# Altium PCB CoreBase-V2.0.PcbDoc
Units mil, origin at the board's own origin, x right, y up, seen from the top; angles counter-clockwise.
Board outline 3947.04 x 3945.03 mil, 2 copper layers (Top Layer, Bottom Layer); 118 components, 124 nets, 578 pads, 182 vias.
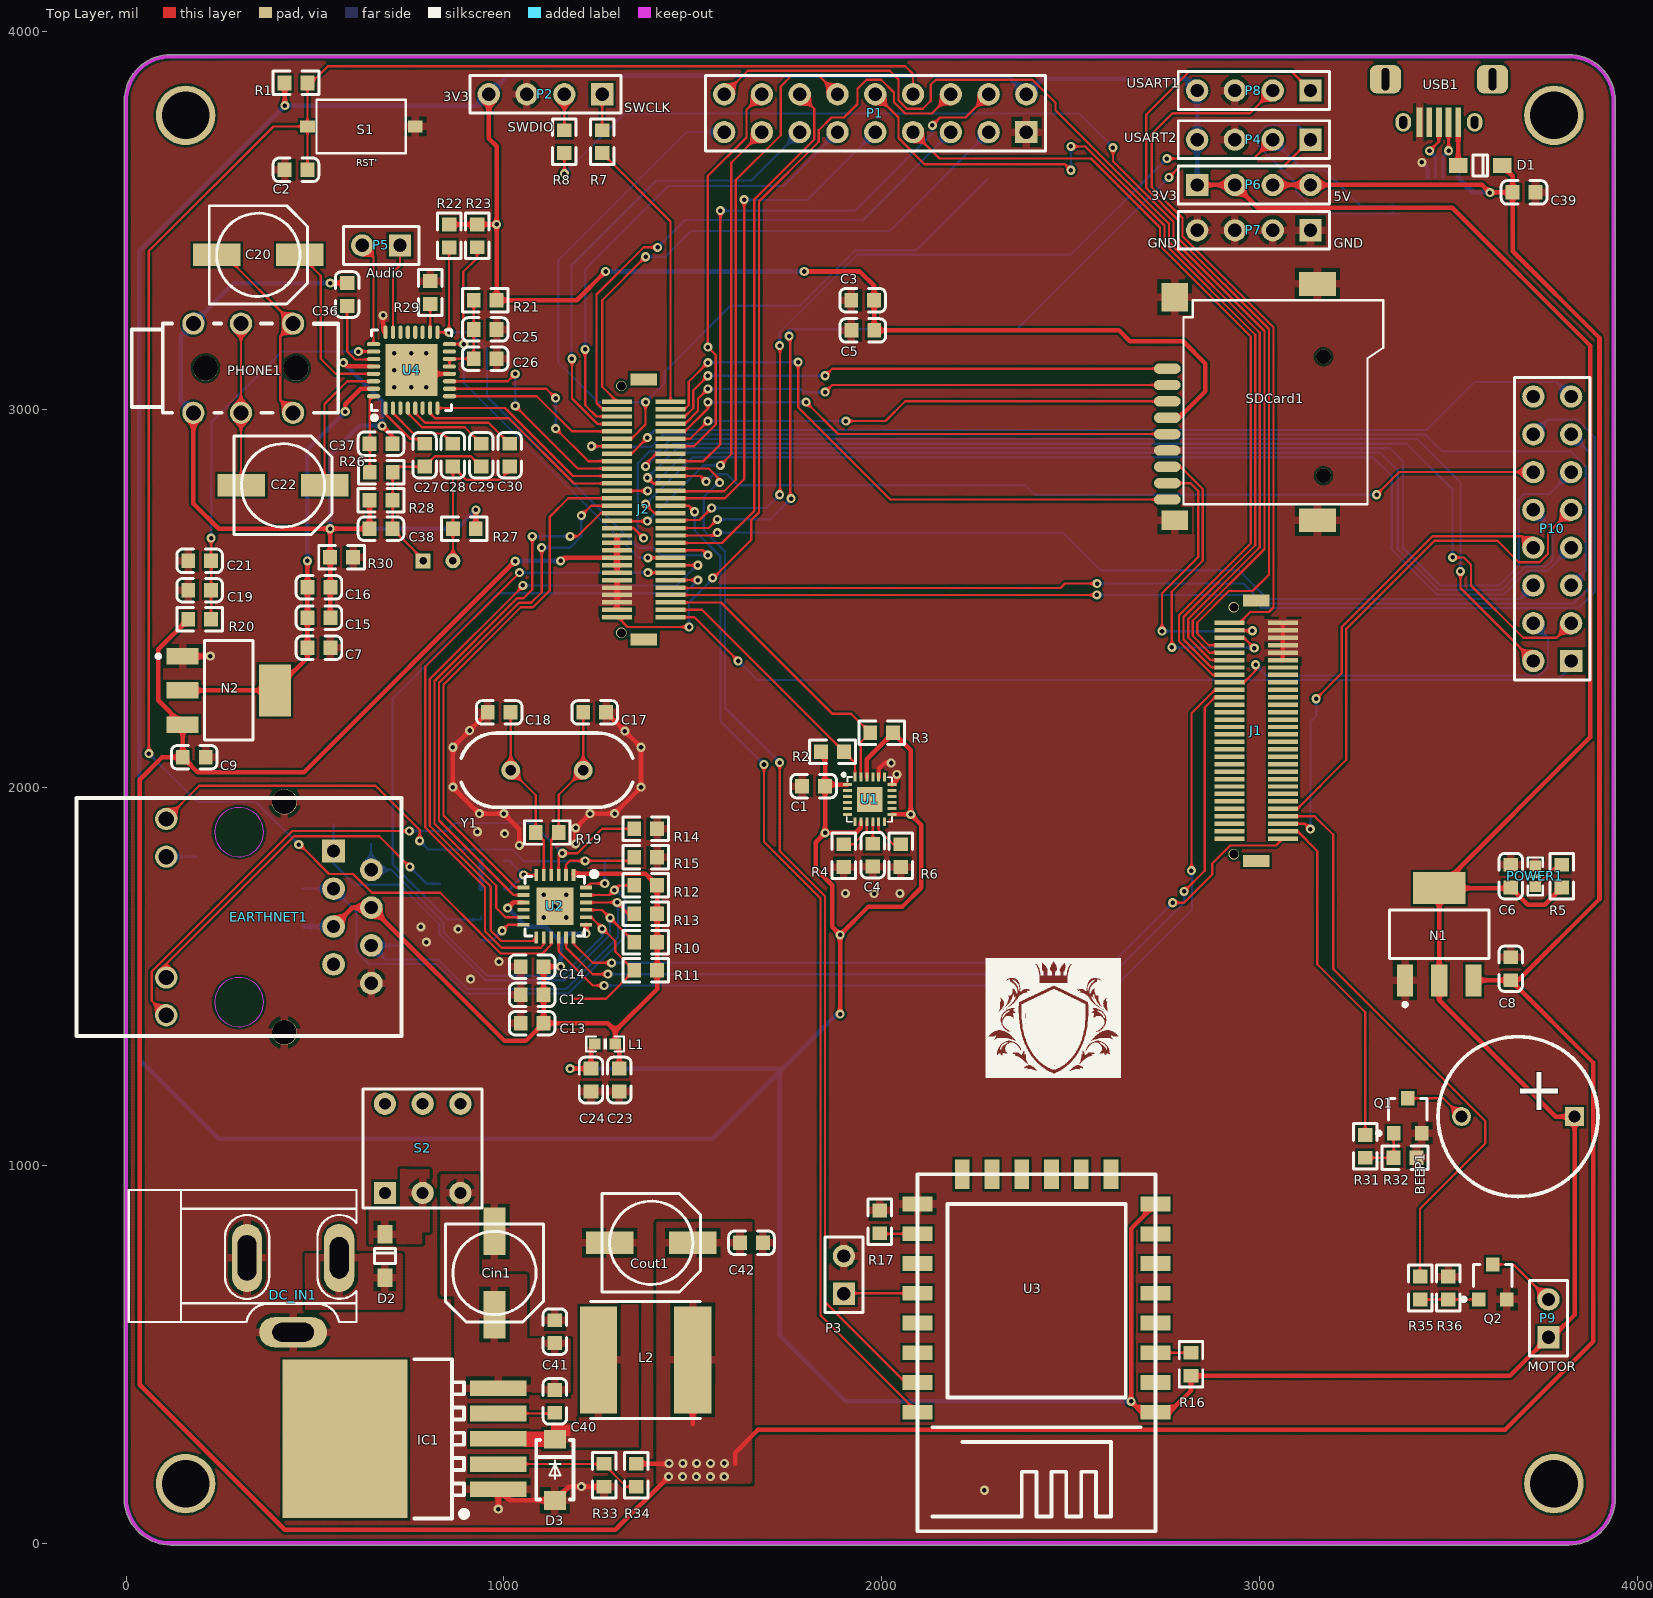
[diagram p0: Top Layer view]
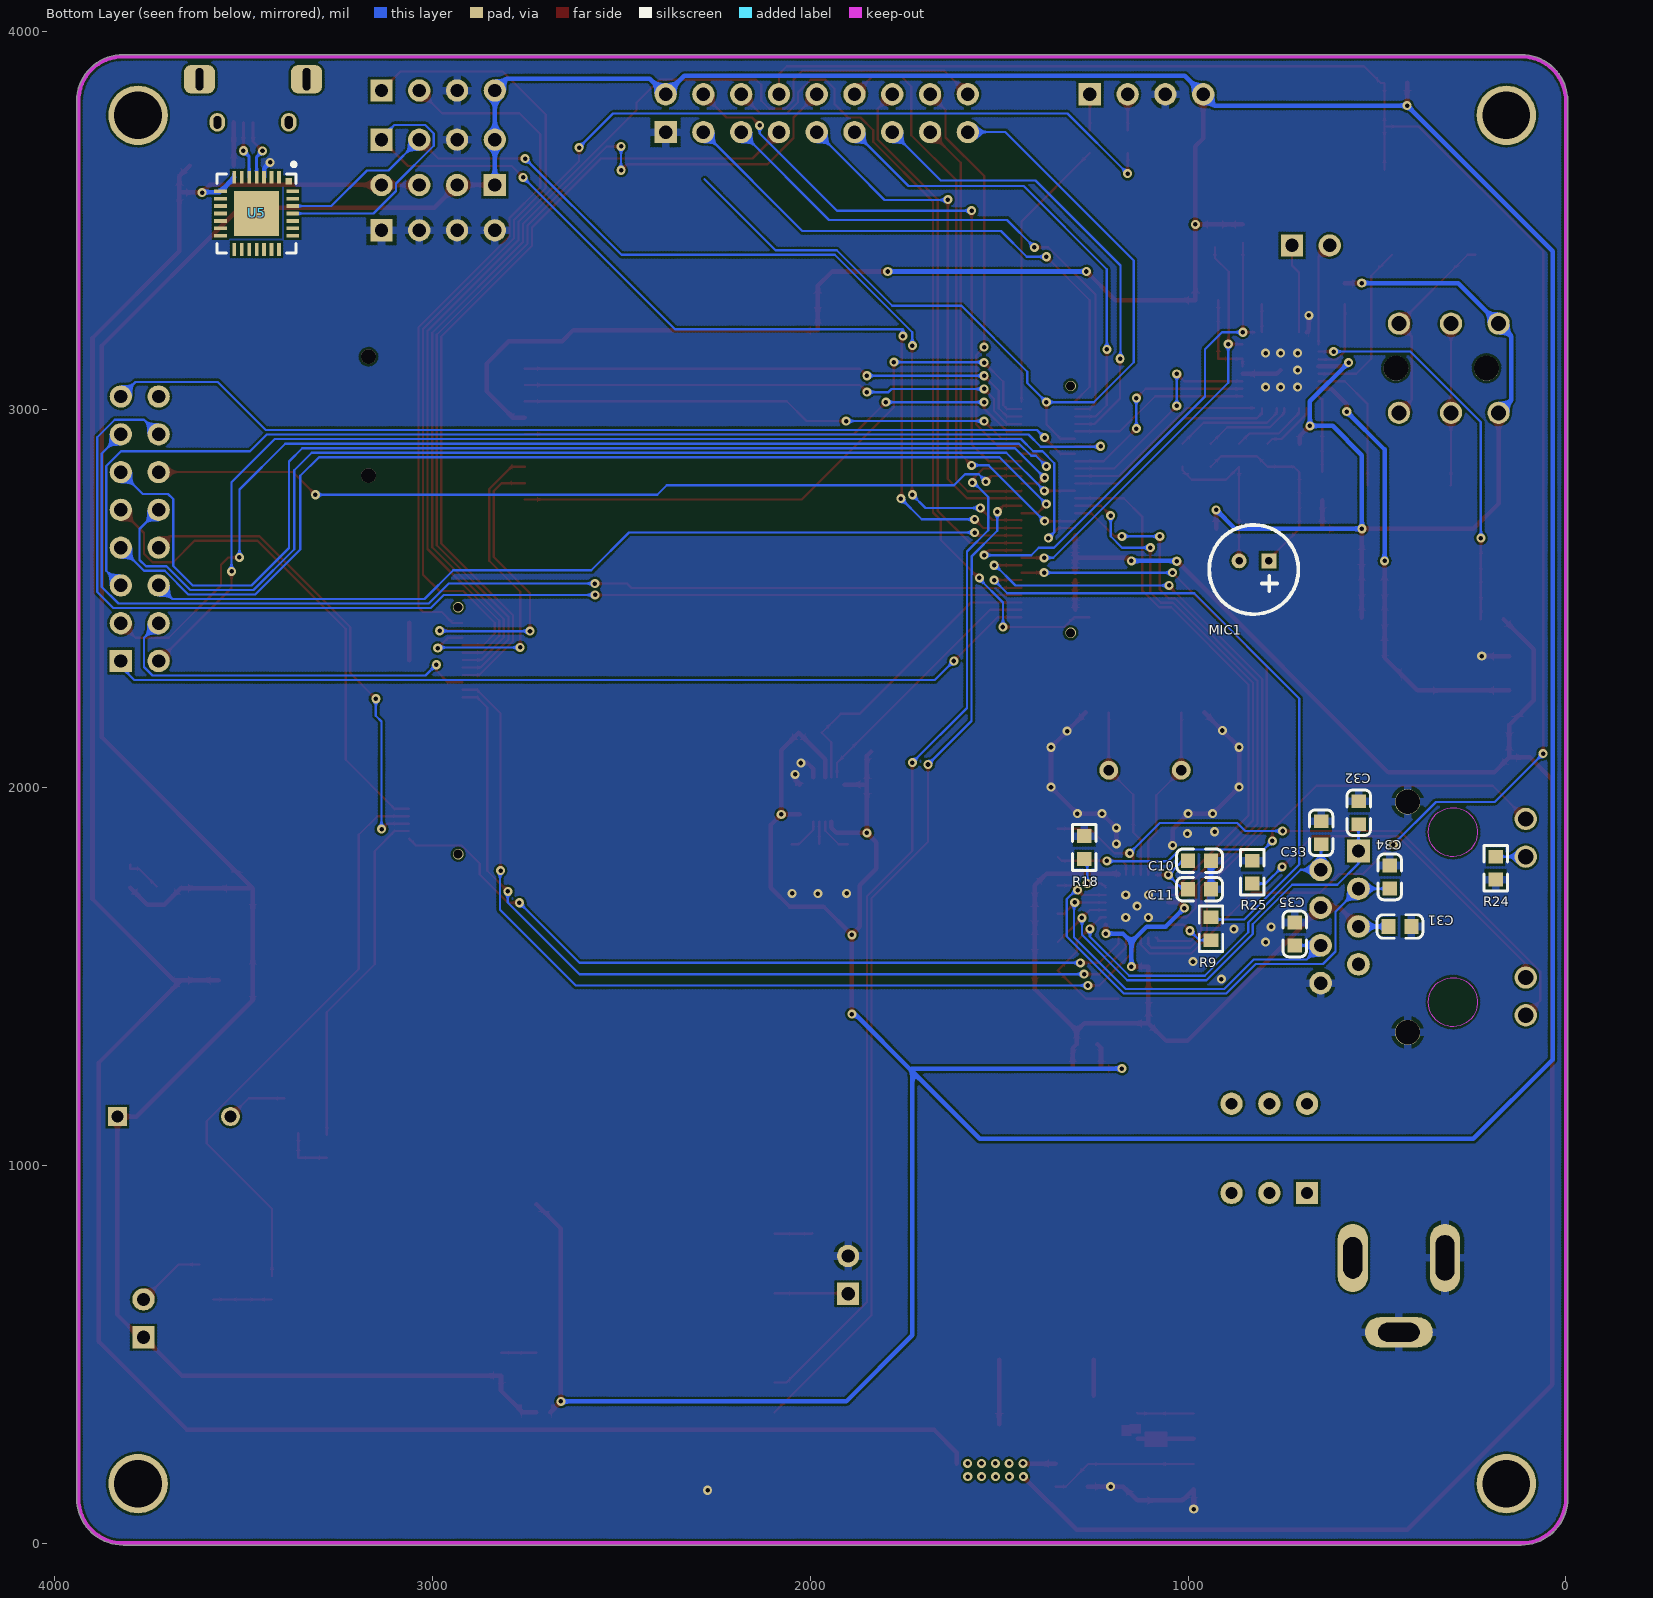
[diagram p1: Bottom Layer view, seen from below]
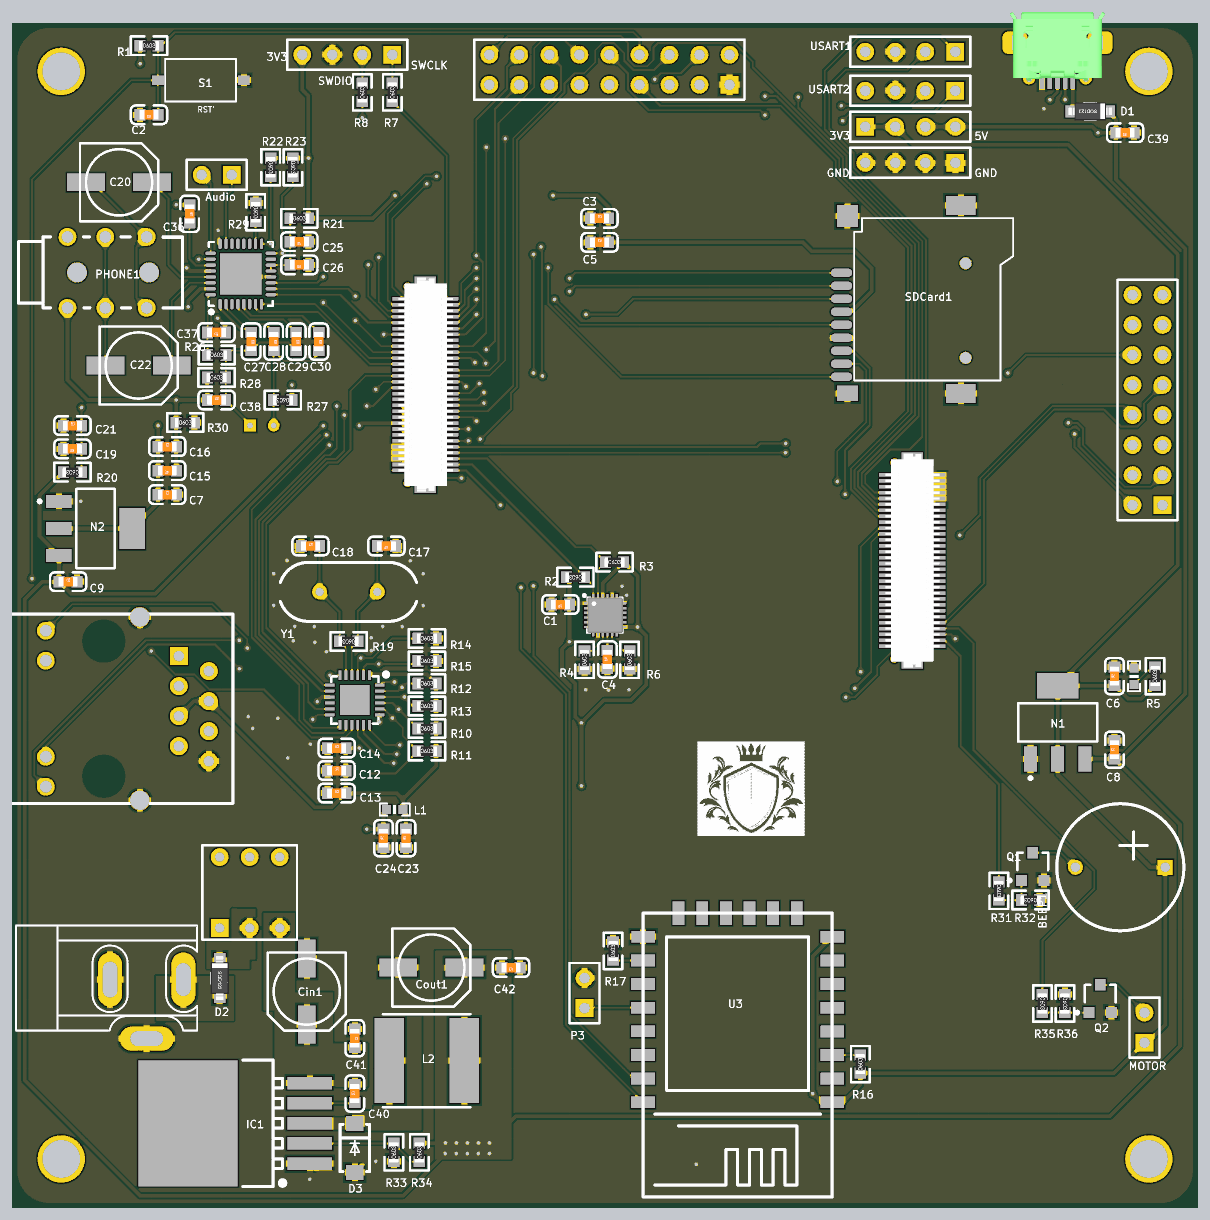
[diagram p2: 3D render of the assembled board from above, using the file's embedded part models]
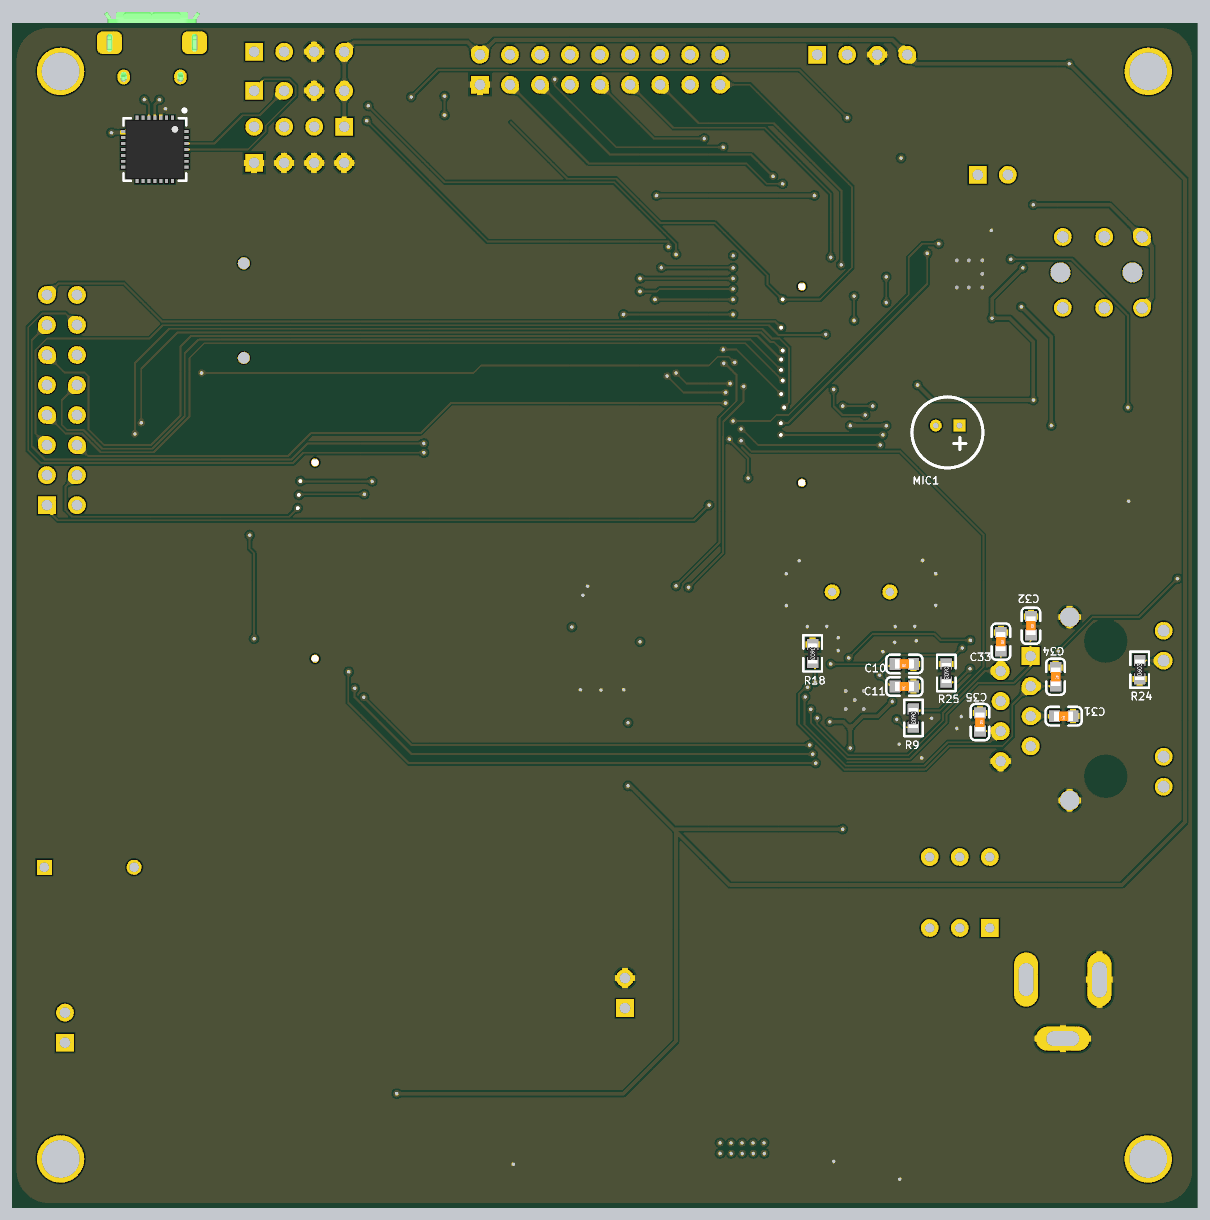
[diagram p3: 3D render of the assembled board from below, using the file's embedded part models]

## Layer stack, top to bottom
Top Solder: solder mask 0.4, Solder Resist, Dk 3.5
Top Layer: signal copper 1.4
Dielectric 1: dielectric 12.6, FR-4, Dk 4.8
Bottom Layer: signal copper 1.4
Bottom Solder: solder mask 0.4, Solder Resist, Dk 3.5

## Board outline
-5.01,118.11 ccw(c118.11,118.11) 118.11,-5.02 3818.9,-5.02 ccw(c3818.9,118.11) 3942.02,118.11 3942.02,3818.9 ccw(c3937.01,3818.9) 3942,3819.4 ccw(c3818.9,3816.89) 3818.9,3940.01 118.11,3940.01 ccw(c118.11,3816.89) -4.99,3819.4 ccw(c0,3818.9) -5.01,3818.9

## Design rules (kind name [scope] priority, off if disabled: settings)
Clearance InU1 [InComponent('U1')] p1: gap=5
Clearance [All] p2: gap=6
DiffPairsRouting [All] p1: maxlimit=8 minlimit=8 mostfreqgap=8 toplayer_minwidth=8 toplayer_maxwidth=8 toplayer_prefwidth=8 bottomlayer_minwidth=8 bottomlayer_maxwidth=8 bottomlayer_prefwidth=8 maxuncoupledlength=500
PolygonConnect Via [IsVia] p1: connectstyle=Direct reliefconductorwidth=10 reliefentries=4 polygonreliefangle="90 Angle" airgapwidth=10
PolygonConnect [All] p2: connectstyle=Relief reliefconductorwidth=20 reliefentries=4 polygonreliefangle="90 Angle" airgapwidth=10
RoutingVias InJ2 [InComponent('J2')] p1: holewidth=28 width=50 viastyle="Through Hole" minholewidth=6 minwidth=12 maxholewidth=100 maxwidth=200
RoutingVias InJ1 [InComponent('J1')] p2: holewidth=6 width=12 viastyle="Through Hole" minholewidth=6 minwidth=12 maxholewidth=100 maxwidth=200
RoutingVias [All] p3: holewidth=12 width=24 viastyle="Through Hole" minholewidth=12 minwidth=24 maxholewidth=12 maxwidth=24
SolderMaskExpansion [All] p1: expansion=4
Width PWR [InNetClass('PWR')] p1: maxlimit=12 minlimit=6 preferedwidth=12
Width [All] p2: maxlimit=6 minlimit=6 preferedwidth=6
29 further rules are at their usual default settings.

## Classes and differential pairs
net class PWR: 3V3 3V3A 3V3E 5V AGND GND NetC40_2 NetD1_1 NetD2_1 NetD2_2 NetD3_2
net class SDIO: PA15 PC8 PC9 PC10 PC11 PC12 PD2
differential pair USB: +USB_P -USB_N

## Components (designator, comment, footprint, x,y, rotation, side; value= is the part's Value field where it differs from the comment)
BEEP1 "BEEP" SOT12-7.6 3834,1129 r180 top
C1 "100nf" 0603_C 1819.69,2003.94 r180 top locked
C2 "104" 0603_C 449.69,3635 r180 top locked
C3 "104" 0603_C 1949.69,3290 r0 top locked
C4 "100nf" 0603_C 1976.38,1821.06 r90 top locked
C5 "100nF" 0603_C 1950,3210 r0 top locked
C6 "0.1uF" 0603_C 3665,1765.31 r90 top locked
C7 "0.1uF" 0603_C 510.32,2370 r0 top locked
C8 "0.1uF" 0603_C 3665,1520.31 r90 top locked
C9 "0.1uF" 0603_C 180.31,2080 r0 top locked
C10 "104" 0603_C 969.69,1806 r0 bottom locked
C11 "106" 0603_C 969.69,1731 r0 bottom locked
C12 "104" 0603_C 1074.69,1451 r0 top locked
C13 "104" 0603_C 1074.69,1376 r0 top locked
C14 "104" 0603_C 1074.69,1526 r0 top locked
C15 "106" 0603_C 510.31,2450 r180 top locked
C16 "104" 0603_C 510.32,2530 r0 top locked
C17 "22" 0603_C 1240.31,2198.87 r180 top locked
C18 "22" 0603_C 987.56,2198.87 r0 top locked
C19 "106" 0603_C 194.69,2522.5 r180 top locked
C20 "220uF" CC6.56.5 350,3410 r180 top locked
C21 "104" 0603_C 194.69,2600 r0 top locked
C22 "220uF" CC6.56.5 415.24,2800 r180 top locked
C23 "106" 0603_C 1305.5,1225.75 r90 top locked
C24 "104" 0603_C 1230.5,1225.75 r90 top locked
C25 "104" 0603_C 950.31,3212.5 r180 top locked
C26 "106" 0603_C 950.31,3135 r180 top locked
C27 "105" 0603_C 790,2879.69 r270 top locked
C28 "105" 0603_C 865,2879.68 r270 top locked
C29 "105" 0603_C 940,2879.68 r270 top locked
C30 "105" 0603_C 1015,2879.68 r270 top locked
C31 "223" 0603_C 439.12,1632.2 r0 bottom
C32 "10" 0603_C 548,1933.31 r270 bottom
C33 "10" 0603_C 648,1880.31 r270 bottom
C34 "10" 0603_C 466,1763.31 r270 bottom
C35 "10" 0603_C 717.8,1612.51 r270 bottom
C36 "106" 0603_C 585,3305 r270 top locked
C37 "106" 0603_C 674.68,2910 r180 top locked
C38 "221" 0603_C 674.69,2685 r0 top locked
C39 "103" 0603_C 3700.31,3575.31 r180 top locked
C40 "105" 0603_C 1135,375.31 r90 top locked
C41 "105" 0603_C 1135,559.68 r270 top locked
C42 "105" 0603_C 1655.31,795 r180 top locked
Cin1 "220uF" CC6.56.5 975,715 r90 top locked
Cout1 "220uF" CC6.56.5 1390,795 r180 top locked
D1 "1N5819" SOD-123 3584.25,3646.18 r180 top locked
D2 "1N4148" SOD-123 685,760 r270 top locked
D3 "Diode  Zener" SMA(DO-214AC) 1135,194 r90 top locked
DC_IN1 "POWER" DC10B 145,585 r0 top locked
EARTHNET1 "RJ45" HR911105A 299,1657 r90 top locked
IC1 "XL4005" TO-263-5 985,276.14 r0 top locked
J1 "DF12(3.0)-60" DF12(3.0)-60DS-Top 2766.24,1875.42 r0 top locked
J2 "DF12(3.0)-60" DF12(3.0)-60DS-TOP 1144.98,2461.1 r0 top locked
L1 "220R,2.0A,0.05DCR" 0603P 1268,1321 r180 top locked
L2 "47uH" L_SOP74 1500,485 r180 top locked
MIC1 "MIC" MIC-6022 786.26,2600 r0 bottom locked
N1 "AMS1117-3.3V" SOT223 3462.95,1610.21 r0 top locked
N2 "AMS1117-3.3V" SOT223 270,2270 r270 top locked
P1 "Header 9X2" HDR2X9 2383,3735 r180 top
P2 "STLINK" HDR1X4 1260,3835 r180 top
P3 "Header 2" HDR1X2 1900,660 r90 top locked
P4 "Header 4" HDR1X4 3135,3715 r180 top locked
P5 "Header 2" HDR1X2 725,3435 r180 top locked
P6 "Header 4" HDR1X4 2835,3595 r0 top locked
P7 "Header 4" HDR1X4 3135,3475 r180 top locked
P8 "Header 4" HDR1X4 3135,3845 r180 top locked
P9 "Header 2" HDR1X2 3765,545 r90 top locked
P10 "Header 8X2" HDR2X8 3825,2335 r90 top locked
PHONE1 "PHONE" PHONE_ST 310,3110 r180 top locked
POWER1 "LED" 0603P 3730,1765 r90 top locked
Q1 "S8050" SOT-23R 3392.6,1126.26 r0 top locked
Q2 "S8050" SOT-23R 3617.6,686.26 r0 top locked
R1 "10K" 0603_R 449.68,3865 r0 top locked
R2 "10K" 0603_R 1869.69,2095 r180 top locked
R3 "10K" 0603_R 2000,2145 r0 top locked
R4 "10K" 0603_R 1900,1819.68 r90 top locked
R5 "10K" 0603_R 3800,1765.31 r90 top locked
R6 "10K" 0603_R 2050,1819.68 r90 top locked
R7 "22R" 0603_R 1260,3709.68 r90 top locked
R8 "22R" 0603_R 1160,3709.68 r90 top locked
R9 "510R" 0603_R 939.37,1626.32 r270 bottom locked
R10 "49.9R" 0603_R 1375.31,1591 r0 top locked
R11 "49.9R" 0603_R 1375.31,1516 r0 top locked
R12 "49.9R" 0603_R 1375.31,1741 r0 top locked
R13 "49.9R" 0603_R 1375.31,1666 r0 top locked
R14 "10K" 0603_R 1375.31,1891 r0 top locked
R15 "10K" 0603_R 1375.31,1816 r0 top locked
R16 "1K" 0603_R 2818.75,473.43 r90 top locked
R17 "1K" 0603_R 1995,850.31 r90 top locked
R18 "12.1K" 0603_R 1275,1841.32 r270 bottom locked
R19 "1M" 0603_R 1114.69,1881 r180 top locked
R20 "0R" 0603_R 194.69,2445 r180 top locked
R21 "10R" 0603_R 950.31,3290 r0 top locked
R22 "10K" 0603_R 854.8,3460.2 r270 top
R23 "10K" 0603_R 929,3460.32 r270 top
R24 "510R" 0603_R 186,1786.68 r90 bottom
R25 "510R" 0603_R 830,1776 r270 bottom locked
R26 "680" 0603_R 675.31,2835 r0 top locked
R27 "0R" 0603_R 895.32,2685 r180 top locked
R28 "47" 0603_R 674.68,2760 r0 top locked
R29 "10K" 0603_R 805,3310.32 r270 top locked
R30 "0R" 0603_R 570.31,2610 r0 top locked
R31 "1K" 0603_R 3280,1050.32 r270 top locked
R32 "10K" 0603_R 3385.32,1020 r180 top locked
R33 "3.3K" 0603_R 1265,179.68 r90 top locked
R34 "10K" 0603_R 1350,179.68 r90 top locked
R35 "1K" 0603_R 3425,675.32 r270 top locked
R36 "10K" 0603_R 3500,675.32 r270 top locked
S1 "SW-PB" SW-3625 480,3750 r180 top locked
S2 "SW-DPDT" SW-DPDT 785,1045 r90 top
SDCard1 "SD card" SD_CARD 3018.64,3020.14 r270 top
U1 "MPU9250" QFN24#1 1968.5,1968.5 r0 top locked
U2 "LAN8720A" QFN24#2 1135,1686 r270 top locked
U3 "ESP8266" ESP-8266 2409.98,661.28 r180 top locked
U4 "WM8978" WM8978 755.4,3104.8 r90 top locked
U5 "CP2102" QFN-28 3465.63,3519.53 r270 bottom locked
USB1 "ZX62D-B-5PA8" Micro_USB 3475,3875 r180 top locked
Y1 "25MHz" XTAL_US 1210,2046 r180 top locked

## Footprints (in the part's own frame and the unit in brackets; to place one, negate y for a bottom-side part, rotate by r counter-clockwise, add the part's x,y. Pads: shape width x height; smd on the part's side, far side on the other; paste and mask are expansions set on the pad)
0603_C [mm]
  rect 0.93x0.98 smd: 1(-0.77,0) 2(0.77,0)
  silkscreen extent -1.53,-0.79 1.54,0.79, body extent -0.8,-0.4 0.8,0.4, height 0.3
0603_R [mm]
  rect 0.93x0.98 smd: 1(-0.77,0) 2(0.77,0)
  silkscreen extent -1.53,-0.79 1.54,0.79, body extent -0.85,-0.4 0.85,0.4, height 0.56
0603P [mil]
  rect 30x30 smd: 1(-27,0) 2(27.5,-0.06)
  silkscreen extent -50,-20 50,20
CC6.56.5 [mm]
  rect 3.2x1.5 smd: 1(-2.794,0) 2(2.8,0)
  silkscreen extent -3.3,-3.3 3.3,3.3
DC10B [mil]
  oval 80x180 hole 50 slot 110 at 90 deg: 1(419.09,170)
  oval 80x180 hole 50 slot 120 at 90 deg: 2(175,170)
  oval 180x80 hole 50 slot 110 at 0 deg: 3(297.05,-26.85)
  silkscreen extent -138,0 465,350
DF12(3.0)-60DS-Top [mm]
  rect 2x0.3 smd: 1(3.915,14.235) 2(3.915,13.735) 3(3.915,13.235) 4(3.915,12.735) 5(3.915,12.235) 6(3.915,11.735) 7(3.915,11.235) 8(3.915,10.735) 9(3.915,10.235) 10(3.915,9.735) 11(3.915,9.235) 12(3.915,8.735) 13(3.915,8.235) 14(3.915,7.735) 15(3.915,7.235) 16(3.915,6.735) 17(3.915,6.235) 18(3.915,5.735) 19(3.915,5.235) 20(3.915,4.735) 21(3.915,4.235) 22(3.915,3.735) 23(3.915,3.235) 24(3.915,2.735) 25(3.915,2.235) 26(3.915,1.735) 27(3.915,1.235) 28(3.915,0.735) 29(3.915,0.235) 30(3.915,-0.265) 31(7.515,-0.265) 32(7.515,0.235) 33(7.515,0.735) 34(7.515,1.235) 35(7.515,1.735) 36(7.515,2.235) 37(7.515,2.735) 38(7.515,3.235) 39(7.515,3.735) 40(7.515,4.235) 41(7.515,4.735) 42(7.515,5.235) 43(7.515,5.735) 44(7.515,6.235) 45(7.515,6.735) 46(7.515,7.235) 47(7.515,7.735) 48(7.515,8.235) 49(7.515,8.735) 50(7.515,9.235) 51(7.515,9.735) 52(7.515,10.235) 53(7.515,10.735) 54(7.515,11.235) 55(7.515,11.735) 56(7.515,12.235) 57(7.515,12.735) 58(7.515,13.235) 59(7.515,13.735) 60(7.515,14.235)
  rect 1.8x0.8 smd: 61(5.715,-1.765) 62(5.715,15.735)
  body extent 3.44,-2.06 8.04,16.03, height 0.09
DF12(3.0)-60DS-TOP [mm]
  rect 2x0.3 smd: 1(3.915,14.235) 2(3.915,13.735) 3(3.915,13.235) 4(3.915,12.735) 5(3.915,12.235) 6(3.915,11.735) 7(3.915,11.235) 8(3.915,10.735) 9(3.915,10.235) 10(3.915,9.735) 11(3.915,9.235) 12(3.915,8.735) 13(3.915,8.235) 14(3.915,7.735) 15(3.915,7.235) 16(3.915,6.735) 17(3.915,6.235) 18(3.915,5.735) 19(3.915,5.235) 20(3.915,4.735) 21(3.915,4.235) 22(3.915,3.735) 23(3.915,3.235) 24(3.915,2.735) 25(3.915,2.235) 26(3.915,1.735) 27(3.915,1.235) 28(3.915,0.735) 29(3.915,0.235) 30(3.915,-0.265) 31(7.515,-0.265) 32(7.515,0.235) 33(7.515,0.735) 34(7.515,1.235) 35(7.515,1.735) 36(7.515,2.235) 37(7.515,2.735) 38(7.515,3.235) 39(7.515,3.735) 40(7.515,4.235) 41(7.515,4.735) 42(7.515,5.235) 43(7.515,5.735) 44(7.515,6.235) 45(7.515,6.735) 46(7.515,7.235) 47(7.515,7.735) 48(7.515,8.235) 49(7.515,8.735) 50(7.515,9.235) 51(7.515,9.735) 52(7.515,10.235) 53(7.515,10.735) 54(7.515,11.235) 55(7.515,11.735) 56(7.515,12.235) 57(7.515,12.735) 58(7.515,13.235) 59(7.515,13.735) 60(7.515,14.235)
  rect 1.8x0.8 smd: 61(5.715,-1.765) 62(5.715,15.735)
  body extent 3.44,-2.06 8.04,16.03, height 0.09
ESP-8266 [mm]
  rect 2x1 smd: 1(-8.002,8) 2(-8.002,6) 3(-8.002,4.001) 4(-8.002,2.001) 5(-8.002,0) 6(-8.002,-1.999) 7(-8.002,-3.999) 8(-8.001,-5.999) 15(7.999,-6.005) 16(8,-4.001) 17(8.002,-2.003) 18(8.001,-0.002) 19(8,1.998) 20(8.001,3.998) 21(8,5.998) 22(8.001,7.998)
  rect 1x2 smd: 9(-5,-8) 10(-3.002,-7.999) 11(-1.003,-7.999) 12(0.998,-7.999) 13(2.997,-7.999) 14(4.997,-8)
  silkscreen extent -8,-8 8,16
HDR1X2 [mm] "Connector; Header; 2 Position"
  rect 1.5x1.5 hole 0.9: 1(0,0)
  round 1.5 hole 0.9: 2(2.54,0)
  silkscreen extent -1.27,-1.27 3.81,1.27
HDR1X4 [mm] "Connector; Header; 4 Position"
  rect 1.5x1.5 hole 0.9: 1(0,0)
  round 1.5 hole 0.9: 2(2.54,0) 3(5.08,0) 4(7.62,0)
  silkscreen extent -1.27,-1.27 8.89,1.27
HDR2X8 [mm] "Connector; Header; 8x2 Position"
  rect 1.5x1.5 hole 0.9: 1(0,0)
  round 1.5 hole 0.9: 2(0,2.54) 3(2.54,0) 4(2.54,2.54) 5(5.08,0) 6(5.08,2.54) 7(7.62,0) 8(7.62,2.54) 9(10.16,0) 10(10.16,2.54) 11(12.7,0) 12(12.7,2.54) 13(15.24,0) 14(15.24,2.54) 15(17.78,0) 16(17.78,2.54)
  silkscreen extent -1.27,-1.27 19.05,3.81
HDR2X9 [mm] "Connector; Header; 9x2 Position"
  rect 1.5x1.5 hole 0.9: 1(0,0)
  round 1.5 hole 0.9: 2(0,-2.54) 3(2.54,0) 4(2.54,-2.54) 5(5.08,0) 6(5.08,-2.54) 7(7.62,0) 8(7.62,-2.54) 9(10.16,0) 10(10.16,-2.54) 11(12.7,0) 12(12.7,-2.54) 13(15.24,0) 14(15.24,-2.54) 15(17.78,0) 16(17.78,-2.54) 17(20.32,0) 18(20.32,-2.54)
  silkscreen extent -1.27,-3.81 21.59,1.27
HR911105A [mm]
  rect 1.524x1.524 hole 0.889: 1(4.45,-6.35)
  round 1.524 hole 0.889: 2(3.18,-8.89) 3(1.91,-6.35) 4(0.64,-8.89) 5(-0.63,-6.35) 6(-1.9,-8.89) 7(-3.17,-6.35) 8(-4.44,-8.89)
  round 1.5 hole 1.02: 9(6.6,4.9) 10(4.064,4.9) 11(-4.064,4.9) 12(-6.6,4.9)
  round 1.7 hole 1.65: 13(7.75,-3.048) 14(-7.75,-3.048)
  Keep-Out Layer circle w0.051: c5.716,0 r1.65
  Keep-Out Layer circle w0.051: c-5.714,0 r1.65
  silkscreen extent -8,-10.92 8,10.92
L_SOP74 [mm]
  rect 2.5x7.2 smd: 1(0,0) 2(6.35,0)
  silkscreen extent -0.51,-3.94 6.89,3.94
MIC-6022 [mm]
  rect 1x1 hole 0.5: 1(0,0)
  round 1 hole 0.5: 2(2,0)
  silkscreen extent -1.98,-2.41 4.01,3.58
Micro_USB [mm]
  rect 0.4x2 smd: 1(-1.3,2.9) 2(-0.65,2.9) 3(0,2.9) 4(0.65,2.9) 5(1.3,2.9)
  oval 1.05x1.25 hole 0.52 slot 0.85 at 90 deg: 6(-2.4,2.9) 7(2.4,2.9)
  rrect50% 2.1x1.9 hole 0.5 slot 1.5 at 90 deg: 8(3.6,0) 9(-3.6,0)
  body extent -4.05,-2.6 4.05,3.2, height 2.75
PHONE_ST [mm]
  round 1.676 hole 1.676: 0(-3.556,0) 0(2.54,0)
  round 1.5 hole 1: 1(-3.35,3) 1(-3.35,-3) 2(0.15,3) 2(0.15,-3) 3(3.35,3) 3(3.35,-3)
  silkscreen extent -6.39,-3.01 7.49,3
QFN24#1 [mm]
  rect 0.6x0.2 smd: 1(-1.5,1) 2(-1.5,0.6) 3(-1.5,0.2) 4(-1.5,-0.2) 5(-1.5,-0.6) 6(-1.5,-1) 13(1.5,-1) 14(1.5,-0.6) 15(1.5,-0.2) 16(1.5,0.2) 17(1.5,0.6) 18(1.5,1)
  rect 0.2x0.6 smd: 7(-1,-1.5) 8(-0.6,-1.5) 9(-0.2,-1.5) 10(0.2,-1.5) 11(0.6,-1.5) 12(1,-1.5) 19(1,1.5) 20(0.6,1.5) 21(0.2,1.5) 22(-0.2,1.5) 23(-0.6,1.5) 24(-1,1.5)
  rect 1.7x1.7 smd: 25(0,0)
  silkscreen extent -1.86,-1.5 1.5,1.76, body extent -1.52,-1.52 1.52,1.52, height 1.02
QFN24#2 [mm]
  rect 0.8x0.25 smd: 1(-2.101,1.25) 2(-2.101,0.75) 3(-2.101,0.25) 4(-2.101,-0.25) 5(-2.101,-0.75) 6(-2.101,-1.25) 13(2.101,-1.25) 14(2.101,-0.75) 15(2.101,-0.25) 16(2.101,0.25) 17(2.101,0.75) 18(2.101,1.25)
  rect 0.25x0.8 smd: 7(-1.25,-2.101) 8(-0.75,-2.101) 9(-0.25,-2.101) 10(0.25,-2.101) 11(0.75,-2.101) 12(1.25,-2.101) 19(1.25,2.101) 20(0.75,2.101) 21(0.25,2.101) 22(-0.25,2.101) 23(-0.75,2.101) 24(-1.25,2.101)
  rect 2.5x2.5 smd: 25(0,0)
  silkscreen extent -2.31,-2 2,2.79
QFN-28 [mm]
  rect 0.435x0.435 smd: 0(-2.175,2.175)
  rect 0.85x0.25 smd: 1(-2.425,1.5) 2(-2.425,1) 3(-2.425,0.5) 4(-2.425,0) 5(-2.425,-0.5) 6(-2.425,-1) 7(-2.425,-1.5) 15(2.425,-1.5) 16(2.425,-1) 17(2.425,-0.5) 18(2.425,0) 19(2.425,0.5) 20(2.425,1) 21(2.425,1.5)
  rect 0.25x0.85 smd: 8(-1.5,-2.425) 9(-1,-2.425) 10(-0.5,-2.425) 11(0,-2.425) 12(0.5,-2.425) 13(1,-2.425) 14(1.5,-2.425) 22(1.5,2.425) 23(1,2.425) 24(0.5,2.425) 25(0,2.425) 26(-0.5,2.425) 27(-1,2.425) 28(-1.5,2.425)
  rect 3.03x3.03 smd: 29(0,0)
  silkscreen extent -3.42,-2.65 2.65,2.65, body extent -2.52,-2.52 2.52,2.52, height 0.9